# KiCad board BeavisUltrasoundPnp.kicad_pcb
title: BEAVIS ULTRASOUND; rev: 1; note: Secured with the CERN Open Hardware Licence Version 2 - Permissive; note: Copyright (C) 2026 Tube Time
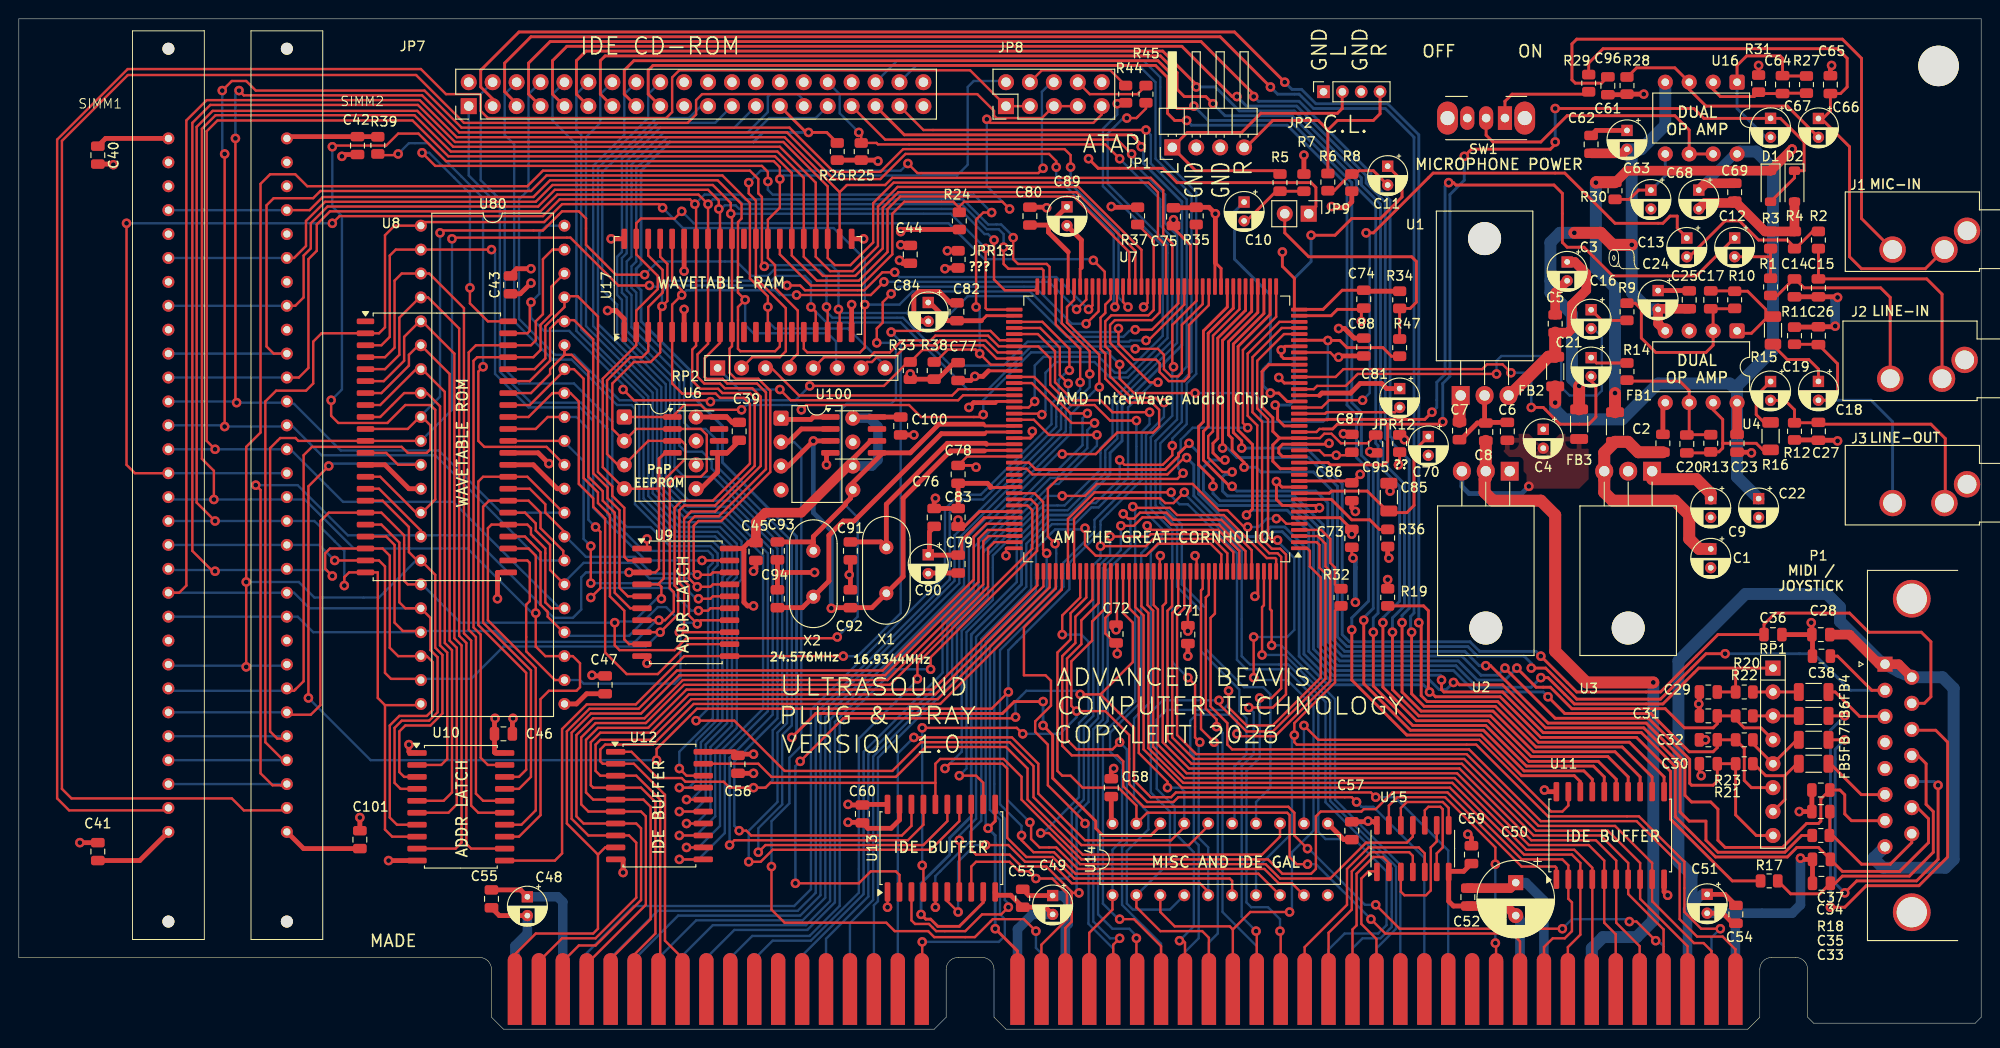
[diagram p0: board, top side]
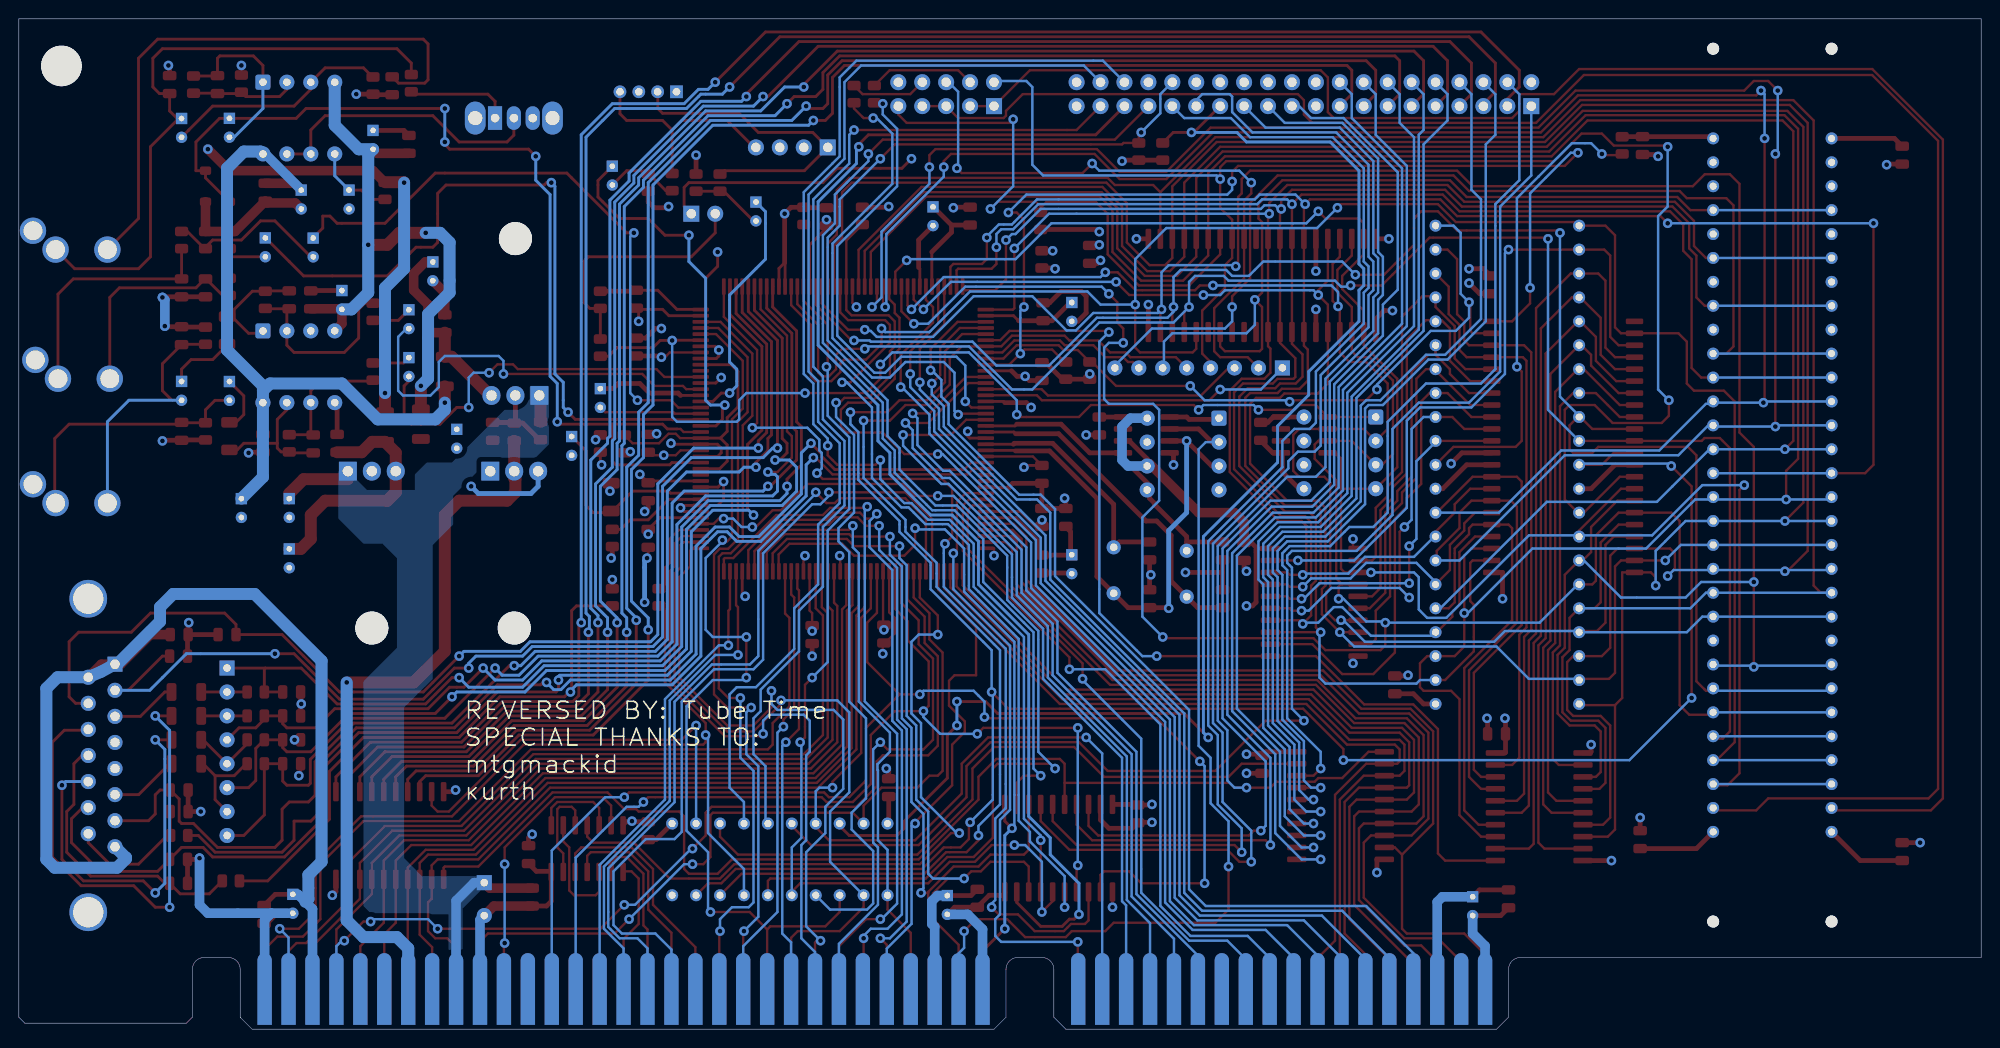
[diagram p1: board, bottom side, seen from below]

Outline 208.28 x 107.31 mm; copper layers: Top, In1.Cu, In2.Cu, Bottom. Coordinates in mm from the lower left corner of the outline.
Outline path: 0,7.62 0,107.31 208.28,107.31 208.28,1.27 207.64,0.63 190.5,0.63 189.87,1.27 189.87,6.35 arc(189.49,7.25) 188.6,7.62 186.06,7.62 arc(185.16,7.25) 184.79,6.35 184.79,1.27 183.51,0 104.77,0 103.51,1.27 103.51,6.35 arc(103.13,7.25) 102.23,7.62 99.7,7.62 arc(98.8,7.25) 98.42,6.35 98.42,1.27 97.15,0 51.44,0 50.17,1.27 50.17,6.35 arc(49.79,7.25) 48.89,7.62 0,7.62
Stack: Top 0.035mm / dielectric 0.1mm FR4 er 4.5 / In1.Cu 0.035mm / dielectric 1.24mm FR4 er 4.5 / In2.Cu 0.035mm / dielectric 0.1mm FR4 er 4.5 / Bottom 0.035mm

## Placement (name value [footprint] x y rotation side)
C1  47uF 16V  [CP_Radial_D4.0mm_P2.00mm]  179.58 51.01 270 top
C2  0.1uF  [C_0805_2012Metric]  174.5 62.23 90 top
C3  47uF 16V  [CP_Radial_D4.0mm_P2.00mm]  164.34 81.49 270 top
C4  47uF 16V  [CP_Radial_D4.0mm_P2.00mm]  161.8 63.71 270 top
C5  0.1uF  [C_0805_2012Metric]  163.07 74.93 90 top
C6  0.1uF  [C_0805_2012Metric]  157.99 63.5 90 top
C7  0.1uF  [C_0805_2012Metric]  152.91 63.57 90 top
C8  0.1uF  [C_0805_2012Metric]  155.7 63.43 270 top
C9  ?  [CP_Radial_D4.0mm_P2.00mm]  179.58 56.36 270 top
C10  10uF 25V  [CP_Radial_D4.0mm_P2.00mm]  130.05 87.85 270 top
C11  10uF 25V  [CP_Radial_D4.0mm_P2.00mm]  145.29 91.66 270 top
C12  10uF 25V  [CP_Radial_D4.0mm_P2.00mm]  182.12 84.04 270 top
C13  10uF 25V  [CP_Radial_D4.0mm_P2.00mm]  177.04 84.03 270 top
C14  22pF  [C_0805_2012Metric]  188.47 78.74 270 top
C15  22pF  [C_0805_2012Metric]  191.01 78.74 270 top
C16  10uF 25V  [CP_Radial_D4.0mm_P2.00mm]  166.88 76.41 270 top
C17  100pF  [C_0805_2012Metric]  179.58 77.47 270 top
C18  10uF 25V  [CP_Radial_D4.0mm_P2.00mm]  191.01 68.8 270 top
C19  10uF 25V  [CP_Radial_D4.0mm_P2.00mm]  185.93 68.79 270 top
C20  100pF  [C_0805_2012Metric]  177.04 62.16 90 top
C21  10uF 25V  [CP_Radial_D4.0mm_P2.00mm]  166.88 71.33 270 top
C22  10uF 25V  [CP_Radial_D4.0mm_P2.00mm]  184.66 56.36 270 top
C23  0.1uF  [C_0805_2012Metric]  182.37 62.23 90 top
C24  10uF 25V  [CP_Radial_D4.0mm_P2.00mm]  173.99 78.45 270 top
C25  0.1uF  [C_0805_2012Metric]  177.29 77.47 270 top
C26  22pF  [C_0805_2012Metric]  191.01 73.66 270 top
C27  22pF  [C_0805_2012Metric]  191.01 63.5 90 top
C28  0.1uF  [C_0805_2012Metric]  191.26 41.91 0 top
C29  5.6nF  [C_0805_2012Metric]  179.32 35.81 0 top
C30  5.6nF  [C_0805_2012Metric]  179.32 28.19 0 top
C31  5.6nF  [C_0805_2012Metric]  179.32 33.27 0 top
C32  5.6nF  [C_0805_2012Metric]  179.32 30.73 0 top
C33  0.01uF  [C_0805_2012Metric]  191.33 15.49 0 top
C34  100pF  [C_0805_2012Metric]  191.26 23.11 0 top
C35  100pF  [C_0805_2012Metric]  191.33 18.03 0 top
C36  100pF  [C_0805_2012Metric]  186.18 41.91 180 top
C37  100pF  [C_0805_2012Metric]  191.26 25.4 0 top
C38  100pF  [C_0805_2012Metric]  191.33 39.62 0 top
C39  0.1uF  [C_0805_2012Metric]  76.45 63.5 270 top
C40  0.1uF  [C_0805_2012Metric]  8.38 92.84 270 top
C41  0.1uF  [C_0805_2012Metric]  8.38 18.86 90 top
C42  0.1uF  [C_0805_2012Metric]  35.94 93.85 270 top
C43  0.1uF  [C_0805_2012Metric]  52.2 79.06 90 top
C44  0.1uF  [C_0805_2012Metric]  94.61 82.3 90 top
C45  0.1uF  [C_0805_2012Metric]  78.23 50.73 270 top
C46  0.1uF  [C_0805_2012Metric]  51.44 31.37 0 top
C47  0.1uF  [C_0805_2012Metric]  62.23 36.58 90 top
C48  47uF 16V  [CP_Radial_D4.0mm_P2.00mm]  53.97 14.06 270 top
C49  47uF 16V  [CP_Radial_D4.0mm_P2.00mm]  109.73 14.19 270 top
C50  470uF 16V  [CP_Radial_D8.0mm_P3.50mm]  158.88 15.56 270 top
C51  47uF 16V  [CP_Radial_D4.0mm_P2.00mm]  179.2 14.32 270 top
C52  0.1uF  [C_0805_2012Metric]  153.8 14.03 270 top
C53  0.1uF  [C_0805_2012Metric]  106.55 13.9 270 top
C54  0.1uF  [C_0805_2012Metric]  182.25 12.19 270 top
C55  0.1uF  [C_0805_2012Metric]  50.17 13.84 270 top
C56  0.1uF  [C_0805_2012Metric]  76.33 28.13 270 top
C57  0.1uF  [C_0805_2012Metric]  141.48 21.08 270 top
C58  0.1uF  [C_0805_2012Metric]  115.95 25.65 90 top
C59  0.1uF  [C_0805_2012Metric]  154.18 18.54 270 top
C60  0.1uF  [C_0805_2012Metric]  89.54 22.86 270 top
C61  10uF 25V  [CP_Radial_D4.0mm_P2.00mm]  170.69 95.46 270 top
C62  0.1uF  [C_0805_2012Metric]  166.88 93.98 270 top
C63  47uF 16V  [CP_Radial_D4.0mm_P2.00mm]  173.23 89.12 270 top
C64  100pF  [C_0805_2012Metric]  187.2 100.33 270 top
C65  100pF  [C_0805_2012Metric]  192.28 100.33 90 top
C66  10uF 25V  [CP_Radial_D4.0mm_P2.00mm]  191.01 96.73 270 top
C67  10uF 25V  [CP_Radial_D4.0mm_P2.00mm]  185.93 96.74 270 top
C68  10uF 25V  [CP_Radial_D4.0mm_P2.00mm]  178.31 89.12 270 top
C69  0.1uF  [C_0805_2012Metric]  182.12 88.9 270 top
C70  10uF 25V  [CP_Radial_D4.0mm_P2.00mm]  149.61 62.95 270 top
C71  0.1uF  [C_0805_2012Metric]  124.08 41.91 270 top
C72  0.1uF  [C_0805_2012Metric]  116.46 41.97 270 top
C73  0.1uF  [C_0805_2012Metric]  141.48 52.13 270 top
C74  0.1uF  [C_0805_2012Metric]  142.75 77.54 90 top
C75  0.1uF  [C_0805_2012Metric]  122.55 86.3 90 top
C76  0.1uF  [C_0805_2012Metric]  97.15 54.36 90 top
C77  0.1uF  [C_0805_2012Metric]  99.7 69.85 90 top
C78  0.1uF  [C_0805_2012Metric]  99.7 58.93 270 top
C79  0.1uF  [C_0805_2012Metric]  99.7 49.4 270 top
C80  0.1uF  [C_0805_2012Metric]  107.32 86.36 90 top
C81  1uF 50V  [CP_Radial_D4.0mm_P2.00mm]  146.56 68.04 270 top
C82  0.1uF  [C_0805_2012Metric]  99.57 76.2 90 top
C83  0.1uF  [C_0805_2012Metric]  99.7 54.36 90 top
C84  1uF 50V  [CP_Radial_D4.0mm_P2.00mm]  96.52 77.18 270 top
C85  1uF  [C_1206_3216Metric]  145.42 56.51 90 top
C86  0.1uF  [C_0805_2012Metric]  141.48 57.08 270 top
C87  0.1uF  [C_0805_2012Metric]  141.48 62.23 90 top
C88  0.1uF  [C_0805_2012Metric]  142.75 72.46 90 top
C89  1uF 50V  [CP_Radial_D4.0mm_P2.00mm]  111.25 87.34 270 top
C90  1uF 50V  [CP_Radial_D4.0mm_P2.00mm]  96.52 50.39 270 top
C91  22pF  [C_0805_2012Metric]  88.27 50.8 270 top
C92  22pF  [C_0805_2012Metric]  88.27 45.72 90 top
C93  22pF  [C_0805_2012Metric]  80.52 50.8 270 top
C94  22pF  [C_0805_2012Metric]  80.52 45.72 90 top
C95  0.1uF  [C_0805_2012Metric]  144.02 62.16 270 top
C96  100pF  [C_0805_2012Metric]  168.66 100.21 90 top
C100  0.1uF  [C_0805_2012Metric]  93.6 64.07 270 top
C101  0.1uF  [C_0805_2012Metric]  36.19 20.13 90 top
D1  LL4148  [D_SOD-123]  185.93 89.53 270 top
D2  LL4148  [D_SOD-123]  188.47 89.53 270 top
FB1  FerriteBead_Small  [L_1206_3216Metric]  169.42 63.96 90 top
FB2  FerriteBead_Small  [L_1206_3216Metric]  163.07 69.85 270 top
FB3  FerriteBead_Small  [L_1206_3216Metric]  165.61 64.26 270 top
FB4  ?  [L_1206_3216Metric]  190.5 35.81 180 top
FB5  ?  [L_1206_3216Metric]  190.5 28.19 180 top
FB6  ?  [L_1206_3216Metric]  190.5 33.27 180 top
FB7  ?  [L_1206_3216Metric]  190.5 30.73 180 top
H1  MountingHole  [MountingHole_4.3mm_M4]  203.76 102.31 0 top
J1  Mic In  [Jack_3.5mm_CUI_SJ1-3533NG_Horizontal_CircularHoles]  206.78 84.8 270 top
J2  Line In  [Jack_3.5mm_CUI_SJ1-3533NG_Horizontal_CircularHoles]  206.53 71.09 270 top
J3  Line Out  [Jack_3.5mm_CUI_SJ1-3533NG_Horizontal_CircularHoles]  206.78 57.88 270 top
J4  Conn_ISA_16bit  [BUS_PC_16BIT]  144.09 4.27 0 top
JP1  ATAPI  [PinHeader_1x04_P2.54mm_Horizontal]  122.43 93.66 90 top
JP2  C.L.  [PinSocket_1x04_P2.00mm_Vertical]  138.48 99.57 90 top
JP7  IDE  [PinHeader_2x20_P2.54mm_Vertical]  47.75 98.04 90 top
JP8  CONFIG  [PinHeader_2x05_P2.54mm_Vertical]  104.77 98.04 90 top
JP9  ?  [PinHeader_1x02_P2.54mm_Vertical]  136.91 86.61 270 top
JPR12  ?  [R_0805_2012Metric]  146.56 62.21 90 top
JPR13  ?  [R_0805_2012Metric]  99.7 81.76 90 top
P1  MIDI/JOYSTICK  [DSUB-15_Socket_Horizontal_P2.77x2.84mm_EdgePinOffset4.94mm_Housed_MountingHolesOffset4.94mm]  198.07 38.76 90 top
R1  5.1K  [R_0805_2012Metric]  185.93 78.84 90 top
R2  5.1K  [R_0805_2012Metric]  191.01 83.82 90 top
R3  5.1K  [R_0805_2012Metric]  185.93 83.82 90 top
R4  5.1K  [R_0805_2012Metric]  188.47 83.82 270 top
R5  5.1K  [R_0805_2012Metric]  133.86 89.92 90 top
R6  5.1K  [R_0805_2012Metric]  138.94 89.97 90 top
R7  5.1K  [R_0805_2012Metric]  136.4 89.92 270 top
R8  5.1K  [R_0805_2012Metric]  141.48 89.92 90 top
R9  10K  [R_0805_2012Metric]  170.69 76.2 270 top
R10  20K  [R_0805_2012Metric]  182.12 77.47 270 top
R11  47K  [R_0805_2012Metric]  188.47 73.66 270 top
R12  47K  [R_0805_2012Metric]  188.47 63.5 90 top
R13  20K  [R_0805_2012Metric]  179.58 62.23 90 top
R14  10K  [R_0805_2012Metric]  170.69 69.85 90 top
R15  33  [R_1206_3216Metric]  186.18 74.23 90 top
R16  33  [R_1206_3216Metric]  185.93 62.99 270 top
R17  1K  [R_0805_2012Metric]  185.78 15.75 0 top
R18  1K  [R_0805_2012Metric]  191.26 20.57 0 top
R19  10K  [R_0805_2012Metric]  145.29 45.87 270 top
R20  DNI  [R_0805_2012Metric]  183.13 35.81 0 top
R21  DNI  [R_0805_2012Metric]  183.13 28.19 0 top
R22  DNI  [R_0805_2012Metric]  183.13 33.27 0 top
R23  DNI  [R_0805_2012Metric]  183.13 30.73 0 top
R24  10K  [R_0805_2012Metric]  99.82 85.85 90 top
R25  3.3K  [R_0805_2012Metric]  89.41 93.22 90 top
R26  3.3K  [R_0805_2012Metric]  86.87 93.22 90 top
R27  20K  [R_0805_2012Metric]  189.74 100.33 270 top
R28  20K  [R_0805_2012Metric]  170.69 100.23 270 top
R29  2K  [R_0805_2012Metric]  166.62 100.48 270 top
R30  10K  [R_0805_2012Metric]  169.42 89.05 270 top
R31  390  [R_0805_2012Metric]  184.66 100.43 90 top
R32  1K  [R_0805_2012Metric]  140.33 45.87 270 top
R33  10K  [R_0805_2012Metric]  94.61 69.95 90 top
R34  10K  [R_0805_2012Metric]  146.56 77.47 270 top
R35  10K  [R_0805_2012Metric]  124.97 86.38 270 top
R36  61.9K  [R_0805_2012Metric]  145.29 52.17 90 top
R37  10K  [R_0805_2012Metric]  118.74 86.38 270 top
R38  10K  [R_0805_2012Metric]  97.15 69.95 90 top
R39  20K  [R_0805_2012Metric]  38.1 93.88 270 top
R44  100  [R_0805_2012Metric]  117.48 99.31 270 top
R45  100  [R_0805_2012Metric]  119.63 99.31 270 top
R47  10K  [R_0805_2012Metric]  146.56 72.39 270 top
RP1  2.2K  [R_Array_SIP8]  186.18 38.35 270 top
RP2  100  [R_Array_SIP8]  74.17 70.23 0 top
SIMM1  SIMM  [SIMM_SLOT1]  15.88 20.95 90 top
SIMM2  SIMM  [SIMM_SLOT1]  28.45 20.95 90 top
SW1  MIC BIAS EN  [SW_Slide_SPDT_Angled_CK_OS102011MA1Q]  157.74 96.77 180 top
U1  LM7808_TO220  [TO-220-3_Horizontal_TabDown]  153.04 67.31 0 top
U2  LM7908_TO220  [TO-220-3_Horizontal_TabDown]  158.24 59.27 180 top
U3  LM7805_TO220  [TO-220-3_Horizontal_TabDown]  173.36 59.27 180 top
U4  LM833  [DIP-8_W7.62mm]  182.37 74.17 270 top
U6  93CxxA  [DIP-8_W7.62mm]  64.26 65.02 0 top
U7  AM78C201  [PQFP-160_28x28mm_P0.65mm]  120.78 63.75 180 top
U8  IW78C21M1  [SOP-44_13.3x28.2mm_P1.27mm]  44.37 61.85 0 top
U9  74LS373  [SOIC-20W_7.5x12.8mm_P1.27mm]  70.79 45.34 0 top
U10  74LS373  [SOIC-20W_7.5x12.8mm_P1.27mm]  46.91 23.62 0 top
U11  74LS245  [SOIC-20W_7.5x12.8mm_P1.27mm]  168.91 20.57 90 top
U12  74LS245  [SOIC-20W_7.5x12.8mm_P1.27mm]  67.99 23.75 0 top
U13  74LS244  [SOIC-20W_7.5x12.8mm_P1.27mm]  97.92 19.23 90 top
U14  GAL16V8  [DIP-20_W7.62mm_SMALLPADS]  116.08 14.22 90 top
U15  74LS32  [SO-14_3.9x8.65mm_P1.27mm]  147.95 19.18 90 top
U16  LM833  [DIP-8_W7.62mm]  182.37 100.58 270 top
U17  HM415260J  [SOJ-40_10.16x26.1mm_P1.27mm]  77.6 79 90 top
U60  93CxxA  [SOIC-8_3.9x4.9mm_P1.27mm]  71.85 63.12 0 top
U80  27C800  [DIP-42_W15.24mm_SMALLPADS]  42.67 85.34 0 top
U100  CMA8216  [DIP-8_W7.62mm]  80.9 64.9 0 top
U101  CMA8216  [SOIC-8_3.9x4.9mm_P1.27mm]  88.61 63.12 0 top
X1  16.9344MHz  [Crystal_HC49-4H_Vertical]  92.08 46.3 90 top
X2  24.576MHz  [Crystal_HC49-4H_Vertical]  84.33 45.94 90 top

## Library data of the parts
C1 C3 C4 C9-C13 C16 C18 C19 C21 C22 C24 C48-C51 C61 C63 C66-C68 C70 C81 C84 C89 C90 = -: Description: Polarized capacitor, small US symbol; ki_fp_filters: CP_*
C2 C5-C8 C14 C15 C17 C20 C23 C25-C47 C52-C60 C62 C64 C65 C69 C71-C80 C82 C83 C85-C88 C91-C96 C100 C101 = -: Description: Unpolarized capacitor, small symbol; ki_fp_filters: C_*
D1 D2 = -: Description: Diode, small symbol, filled shape; Sim.Device: D; Sim.Pins: 1=K 2=A; ki_fp_filters: TO-???* *_Diode_* *SingleDiode* D_*
FB1-FB7 = -: Description: Ferrite bead, small symbol; ki_fp_filters: Inductor_* L_* *Ferrite*
H1 = -: Description: Mounting Hole without connection; ki_fp_filters: MountingHole*
J1-J3 = -: Description: Audio Jack, 3 Poles (Stereo / TRS); ki_fp_filters: Jack*
J4 = -: Description: 16-bit ISA-AT bus connector
JP1 JP2 = -: Description: Generic connector, single row, 01x04, script generated (kicad-library-utils/schlib/autogen/connector/); ki_fp_filters: Connector*:*_1x??_*
JP7 = -: Description: Generic connector, double row, 02x20, odd/even pin numbering scheme (row 1 odd numbers, row 2 even numbers), script generated (kicad-library-utils/schlib/autogen/connector/); ki_fp_filters: Connector*:*_2x??_*
JP8 = -: Description: Generic connector, double row, 02x05, odd/even pin numbering scheme (row 1 odd numbers, row 2 even numbers), script generated (kicad-library-utils/schlib/autogen/connector/); ki_fp_filters: Connector*:*_2x??_*
JP9 = -: Description: Jumper, 2-pole, open; ki_fp_filters: Jumper* TestPoint*2Pads* TestPoint*Bridge*
JPR12 JPR13 = -: Description: Jumper, 2-pole, small symbol, open; ki_fp_filters: Jumper* TestPoint*2Pads* TestPoint*Bridge*
P1 = -: Description: 15-pin D-SUB connector, socket (female) (low-density/2 columns), Mounting Hole; ki_fp_filters: DSUB*Socket*
R1-R39 R44 R45 R47 = -: Description: Resistor, small US symbol; ki_fp_filters: R_*
RP1 RP2 = -: Datasheet: http://www.vishay.com/docs/31509/csc.pdf; Description: 4 resistor network, parallel topology, SIP package, split; ki_fp_filters: R?Array?SIP*
SW1 = -: Description: Switch, single pole double throw; Mouser: 611-OS102011MA1QN1
U1 = -: Datasheet: https://www.onsemi.cn/PowerSolutions/document/MC7800-D.PDF; Description: Positive 1A 35V Linear Regulator, Fixed Output 8V, TO-220; ki_fp_filters: TO?220*
U2 = -: Datasheet: https://www.onsemi.com/pub/Collateral/MC7900-D.PDF; Description: Negative 1A 35V Linear Regulator, Fixed Output 8V, TO-220; ki_fp_filters: TO?220*
U3 = -: Datasheet: https://www.onsemi.cn/PowerSolutions/document/MC7800-D.PDF; Description: Positive 1A 35V Linear Regulator, Fixed Output 5V, TO-220; ki_fp_filters: TO?220*
U4 U16 = -: Description: Dual operational amplifier; Sim.Name: kicad_builtin_opamp_dual; Sim.Device: SUBCKT; Sim.Pins: 1=out1 2=in1- 3=in1+ 4=vee 5=in2+ 6=in2- 7=out2 8=vcc; ki_fp_filters: SOIC*3.9x4.9mm*P1.27mm* DIP*W7.62mm* MSOP*3x3mm*P0.65mm* SSOP*2.95x2.8mm*P0.65mm* TSSOP*3x3mm*P0.65mm* VSSOP*P0.5mm* TO?99*
U6 U60 = -: Datasheet: http://ww1.microchip.com/downloads/en/DeviceDoc/20001749K.pdf; Description: Serial EEPROM, 93 Series, 5.0V, DIP-8/SOIC-8; ki_fp_filters: DIP*W7.62mm* SOIC*3.9x4.9mm*
U7 = -: Description: Amadeus
U8 = -: Datasheet: https://www.mouser.com/datasheet/2/380/AM29F400B_EOL_21505e8-9219.pdf; Description: 4-Mbit (512k x 8-bit / 256k x 16-bit) CMOS 5.0 Volt-only Boot Sector Flash Memory, SOP-44; ki_fp_filters: SO*13.*28.*P1.27mm*
U9 U10 = -: Datasheet: http://www.ti.com/lit/gpn/sn74LS373; Description: 8-bit Latch, 3-state outputs; ki_fp_filters: DIP?20* SOIC?20* SO?20* SSOP?20* TSSOP?20*
U11 U12 = -: Datasheet: http://www.ti.com/lit/gpn/sn74LS245; Description: Octal BUS Transceivers, 3-State outputs; ki_fp_filters: DIP?20*
U13 = -: Datasheet: http://www.ti.com/lit/ds/symlink/sn74ls244.pdf; Description: Octal Buffer and Line Driver With 3-State Output, active-low enables, non-inverting outputs; ki_fp_filters: DIP?20*
U14 = -: Description: Programmable Logic Array, DIP-20/SOIC-20/PLCC-20; ki_fp_filters: DIP* PDIP* SOIC* SO* PLCC*
U15 = -: Datasheet: http://www.ti.com/lit/gpn/sn74LS32; Description: Quad 2-input OR; ki_fp_filters: DIP?14*
U17 = -: Description: 256Kx16 DRAM
U80 = -: Datasheet: http://ww1.microchip.com/downloads/en/devicedoc/doc0360.pdf; Description: OTP EPROM 8 MiBit (1 Mi x 8); ki_fp_filters: DIP*W15.24mm* PLCC*
U100 U101 = -: Description: Generic connector, double row, 02x04, counter clockwise pin numbering scheme (similar to DIP package numbering), script generated (kicad-library-utils/schlib/autogen/connector/); ki_fp_filters: Connector*:*_2x??_*
X1 = -: Description: Two pin crystal, small symbol; Mouser: 774-ATS169-E; ki_fp_filters: Crystal*
X2 = -: Description: Two pin crystal, small symbol; Mouser: 559-FOXS245F-20-LF; ki_fp_filters: Crystal*

## Footprints (pads in the part's own frame, mm; a bottom-side part is the same pattern mirrored in y, then rotated)
BUS_PC_16BIT
  custom 1.524x7.62 smd: A1(38.1,-0.381) A2(35.56,-0.381) A3(33.02,-0.381) A4(30.48,-0.381) A5(27.94,-0.381) A6(25.4,-0.381) A7(22.86,-0.381) A8(20.32,-0.381) A9(17.78,-0.381) A10(15.24,-0.381) A11(12.7,-0.381) A12(10.16,-0.381) A13(7.62,-0.381) A14(5.08,-0.381) A15(2.54,-0.381) A16(0,-0.381) A17(-2.54,-0.381) A18(-5.08,-0.381) A19(-7.62,-0.381) A20(-10.16,-0.381) A21(-12.7,-0.381) A22(-15.24,-0.381) A23(-17.78,-0.381) A24(-20.32,-0.381) A25(-22.86,-0.381) A26(-25.4,-0.381) A27(-27.94,-0.381) A28(-30.48,-0.381) A29(-33.02,-0.381) A30(-35.56,-0.381) A31(-38.1,-0.381) C1(-48.26,-0.381) C2(-50.8,-0.381) C3(-53.34,-0.381) C4(-55.88,-0.381) C5(-58.42,-0.381) C6(-60.96,-0.381) C7(-63.5,-0.381) C8(-66.04,-0.381) C9(-68.58,-0.381) C10(-71.12,-0.381) C11(-73.66,-0.381) C12(-76.2,-0.381) C13(-78.74,-0.381) C14(-81.28,-0.381) C15(-83.82,-0.381) C16(-86.36,-0.381) C17(-88.9,-0.381) C18(-91.44,-0.381)
  custom 1.524x7.62 smd far side: B1(38.1,-0.381) B2(35.56,-0.381) B3(33.02,-0.381) B4(30.48,-0.381) B5(27.94,-0.381) B6(25.4,-0.381) B7(22.86,-0.381) B8(20.32,-0.381) B9(17.78,-0.381) B10(15.24,-0.381) B11(12.7,-0.381) B12(10.16,-0.381) B13(7.62,-0.381) B14(5.08,-0.381) B15(2.54,-0.381) B16(0,-0.381) B17(-2.54,-0.381) B18(-5.08,-0.381) B19(-7.62,-0.381) B20(-10.16,-0.381) B21(-12.7,-0.381) B22(-15.24,-0.381) B23(-17.78,-0.381) B24(-20.32,-0.381) B25(-22.86,-0.381) B26(-25.4,-0.381) B27(-27.94,-0.381) B28(-30.48,-0.381) B29(-33.02,-0.381) B30(-35.56,-0.381) B31(-38.1,-0.381) D1(-48.26,-0.381) D2(-50.8,-0.381) D3(-53.34,-0.381) D4(-55.88,-0.381) D5(-58.42,-0.381) D6(-60.96,-0.381) D7(-63.5,-0.381) D8(-66.04,-0.381) D9(-68.58,-0.381) D10(-71.12,-0.381) D11(-73.66,-0.381) D12(-76.2,-0.381) D13(-78.74,-0.381) D14(-81.28,-0.381) D15(-83.82,-0.381) D16(-86.36,-0.381) D17(-88.9,-0.381) D18(-91.44,-0.381)
C_0805_2012Metric
  rrect 1x1.45 smd: 1(-0.95,0) 2(0.95,0)
C_1206_3216Metric
  rrect 1.15x1.8 smd: 1(-1.475,0) 2(1.475,0)
CP_Radial_D4.0mm_P2.00mm
  rect 1.2x1.2 hole 0.6: 1(0,0)
  round 1.2 hole 0.6: 2(2,0)
CP_Radial_D8.0mm_P3.50mm
  rect 1.6x1.6 hole 0.8: 1(0,0)
  round 1.6 hole 0.8: 2(3.5,0)
Crystal_HC49-4H_Vertical
  round 1.5 hole 0.8: 1(0,0) 2(4.88,0)
D_SOD-123
  rrect 0.9x1.2 smd: 1(-1.65,0) 2(1.65,0)
DIP-8_W7.62mm
  rrect 1.6x1.6 hole 0.8: 1(0,0)
  round 1.6 hole 0.8: 2(0,-2.54) 3(0,-5.08) 4(0,-7.62) 5(7.62,-7.62) 6(7.62,-5.08) 7(7.62,-2.54) 8(7.62,0)
DIP-20_W7.62mm_SMALLPADS
  round 1.27 hole 0.762: 1(0,0) 2(0,-2.54) 3(0,-5.08) 4(0,-7.62) 5(0,-10.16) 6(0,-12.7) 7(0,-15.24) 8(0,-17.78) 9(0,-20.32) 10(0,-22.86) 11(7.62,-22.86) 12(7.62,-20.32) 13(7.62,-17.78) 14(7.62,-15.24) 15(7.62,-12.7) 16(7.62,-10.16) 17(7.62,-7.62) 18(7.62,-5.08) 19(7.62,-2.54) 20(7.62,0)
DIP-42_W15.24mm_SMALLPADS
  round 1.27 hole 0.762: 1(0,0) 2(0,-2.54) 3(0,-5.08) 4(0,-7.62) 5(0,-10.16) 6(0,-12.7) 7(0,-15.24) 8(0,-17.78) 9(0,-20.32) 10(0,-22.86) 11(0,-25.4) 12(0,-27.94) 13(0,-30.48) 14(0,-33.02) 15(0,-35.56) 16(0,-38.1) 17(0,-40.64) 18(0,-43.18) 19(0,-45.72) 20(0,-48.26) 21(0,-50.8) 22(15.24,-50.8) 23(15.24,-48.26) 24(15.24,-45.72) 25(15.24,-43.18) 26(15.24,-40.64) 27(15.24,-38.1) 28(15.24,-35.56) 29(15.24,-33.02) 30(15.24,-30.48) 31(15.24,-27.94) 32(15.24,-25.4) 33(15.24,-22.86) 34(15.24,-20.32) 35(15.24,-17.78) 36(15.24,-15.24) 37(15.24,-12.7) 38(15.24,-10.16) 39(15.24,-7.62) 40(15.24,-5.08) 41(15.24,-2.54) 42(15.24,0)
DSUB-15_Socket_Horizontal_P2.77x2.84mm_EdgePinOffset4.94mm_Housed_MountingHolesOffset4.94mm
  round 4 hole 3.2: 0(-26.345,-2.84) 0(6.955,-2.84)
  rect 1.6x1.6 hole 1: 1(0,0)
  round 1.6 hole 1: 2(-2.77,0) 3(-5.54,0) 4(-8.31,0) 5(-11.08,0) 6(-13.85,0) 7(-16.62,0) 8(-19.39,0) 9(-1.385,-2.84) 10(-4.155,-2.84) 11(-6.925,-2.84) 12(-9.695,-2.84) 13(-12.465,-2.84) 14(-15.235,-2.84) 15(-18.005,-2.84)
Jack_3.5mm_CUI_SJ1-3533NG_Horizontal_CircularHoles
  round 2.8 hole 2: R(2,-7.9) S(0,0) T(2,-2.4)
L_1206_3216Metric
  rrect 1.05x1.9 smd: 1(-1.575,0) 2(1.575,0)
MountingHole_4.3mm_M4
  round 4.3 hole 4.3 unplated: (0,0)
PinHeader_1x02_P2.54mm_Vertical
  rect 1.7x1.7 hole 1: 1(0,0)
  round 1.7 hole 1: 2(0,-2.54)
PinHeader_1x04_P2.54mm_Horizontal
  rect 1.7x1.7 hole 1: 1(0,0)
  round 1.7 hole 1: 2(0,-2.54) 3(0,-5.08) 4(0,-7.62)
PinHeader_2x05_P2.54mm_Vertical
  rect 1.7x1.7 hole 1: 1(0,0)
  round 1.7 hole 1: 2(2.54,0) 3(0,-2.54) 4(2.54,-2.54) 5(0,-5.08) 6(2.54,-5.08) 7(0,-7.62) 8(2.54,-7.62) 9(0,-10.16) 10(2.54,-10.16)
PinHeader_2x20_P2.54mm_Vertical
  rect 1.7x1.7 hole 1: 1(0,0)
  round 1.7 hole 1: 2(2.54,0) 3(0,-2.54) 4(2.54,-2.54) 5(0,-5.08) 6(2.54,-5.08) 7(0,-7.62) 8(2.54,-7.62) 9(0,-10.16) 10(2.54,-10.16) 11(0,-12.7) 12(2.54,-12.7) 13(0,-15.24) 14(2.54,-15.24) 15(0,-17.78) 16(2.54,-17.78) 17(0,-20.32) 18(2.54,-20.32) 19(0,-22.86) 20(2.54,-22.86) 21(0,-25.4) 22(2.54,-25.4) 23(0,-27.94) 24(2.54,-27.94) 25(0,-30.48) 26(2.54,-30.48) 27(0,-33.02) 28(2.54,-33.02) 29(0,-35.56) 30(2.54,-35.56) 31(0,-38.1) 32(2.54,-38.1) 33(0,-40.64) 34(2.54,-40.64) 35(0,-43.18) 36(2.54,-43.18) 37(0,-45.72) 38(2.54,-45.72) 39(0,-48.26) 40(2.54,-48.26)